# Altium PCB graviton.PcbDoc (part 11 of 15)
Units mm, origin at the board's own origin, x right, y up, seen from the top; angles counter-clockwise.
Board outline 200 x 200 mm, 10 copper layers (TOP, POLYGON1, S1, POLYGON2, POLYGON3, POLYGON4, POLYGON5, S2, POLYGON6, BOT), stack 1.751 mm thick; 1317 components, 712 nets, 5121 pads, 3994 vias.
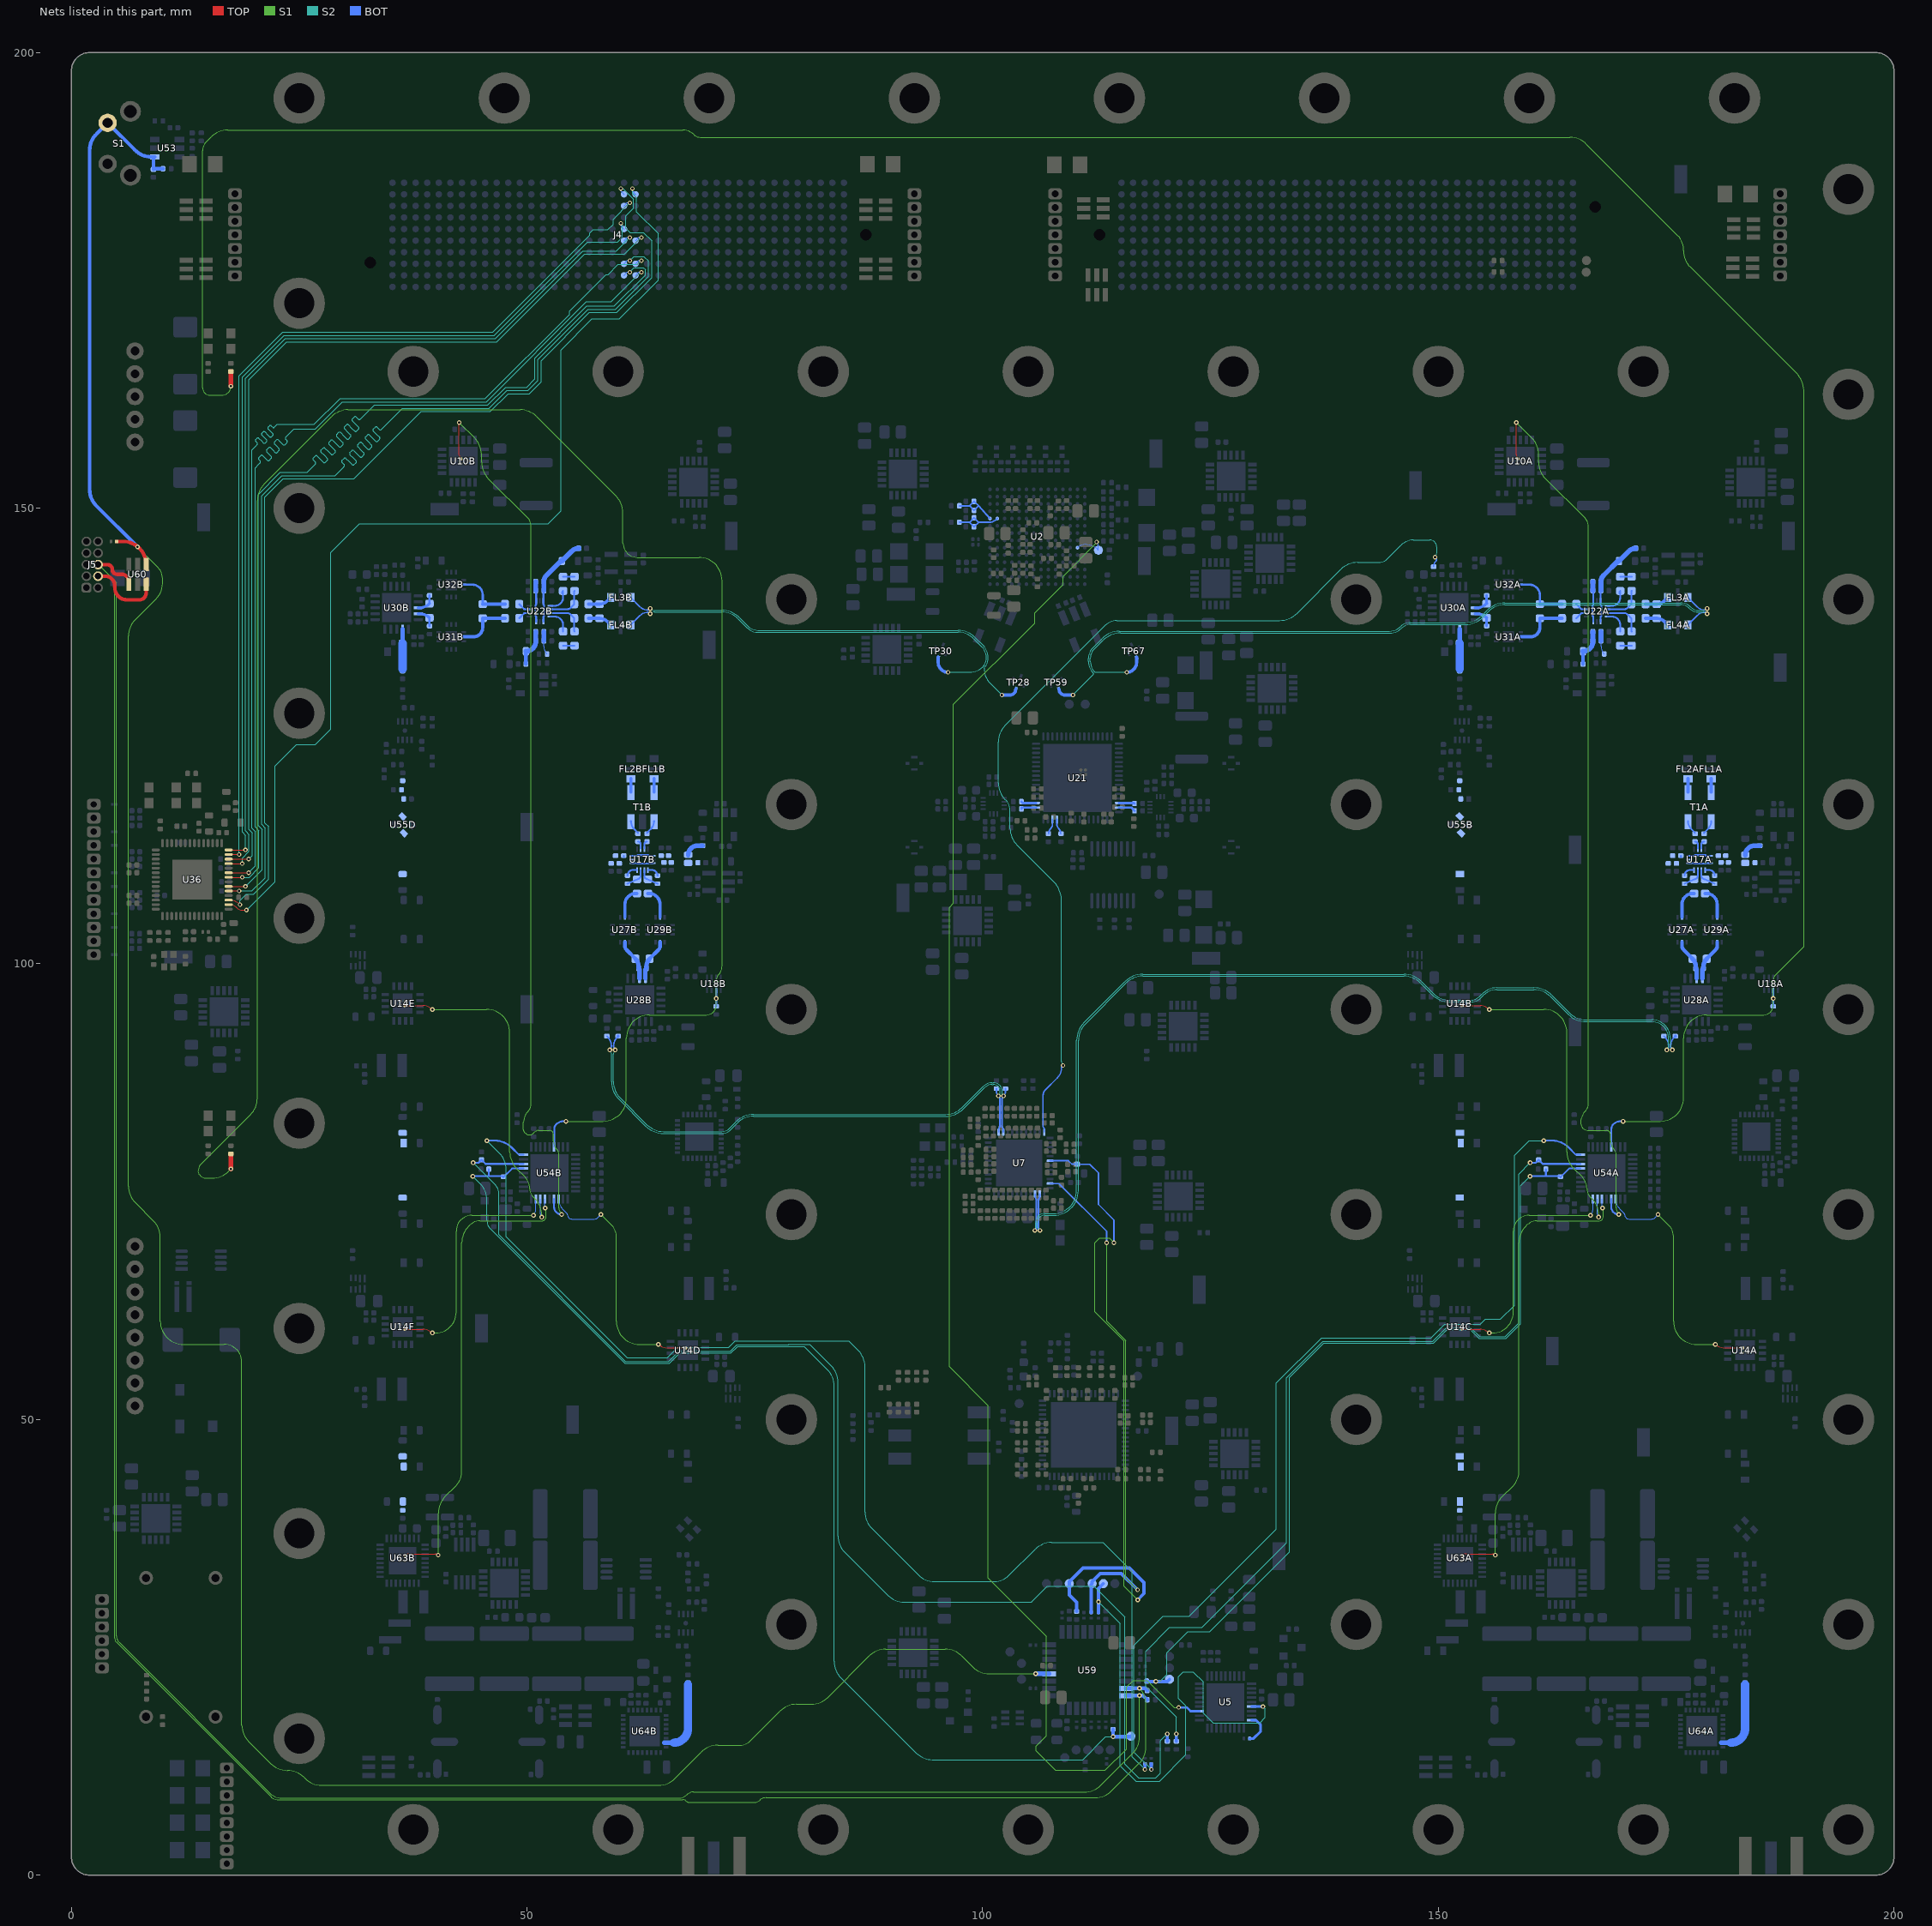
[diagram p19: the nets of this part, all layers, seen from the top]

## Via types
v1: diameter 0.75, hole 0.5, TOP to BOT, tented both sides, 2608 vias
v2: diameter 0.508, hole 0.254, TOP to BOT, tented both sides, 628 vias
v3: diameter 0.483, hole 0.254, TOP to BOT, tented both sides, 455 vias
v4: diameter 0.5, hole 0.3, TOP to BOT, tented both sides, 169 vias
v5: diameter 0.635, hole 0.254, TOP to BOT, tented both sides, 86 vias
v6: diameter 0.5, hole 0.254, TOP to BOT, tented both sides, 48 vias

## Nets (pads, with @x,y where several pads share a name; then routed paths per layer and width w, separated by ;. In a path a pad name is that pad's centre, name@x,y a point inside that pad or via, vN(x,y) a via of type N, cw(c..) or ccw(c..) an arc to the next point about the centre after c; other vN are vias at no path point) (continued)
RGMII.RXD0_2: J4.219 U36.44 | length 117.1
  TOP w0.102: U36.44@17.25,106.5 cw(c17.25,105.172) 18.189,106.111 ccw(c18.699,106.621) 18.699,105.9 v3(19.2,105.9)
  S2 w0.098: v3(19.2,105.9) 19.22,105.9 22.337,109.017 22.337,121.714 24.696,124.073 26.746,124.073 28.452,125.779 28.452,145.129 31.621,148.298 52.321,148.298 53.727,149.704 53.727,167.36 57.135,170.768 60.138,170.768 64.385,175.015 64.385,180.14 62.027,182.498 62.027,184.071 61.562,184.536 v3(61.562,185.08)
  BOT w0.102: v3(61.562,185.08) 61.562,184.788 J4.219@61.905,184.445
RGMII.RXD1_2: J4.209 U36.45 | length 115.5
  TOP w0.102: U36.45@17.25,107 17.293,107 cw(c17.293,105.293) v3(18.5,106.5)
  S2 w0.098: v3(18.5,106.5) 18.5,106.95 19.198,107.648 19.971,107.648 21.632,109.309 21.632,115.057 21.219,115.469 21.219,151.219 23.225,153.225 31,153.225 38.391,160.616 45.986,160.616 47.94,162.57 50.242,162.57 51.555,163.883 51.555,166.185 56.843,171.473 59.846,171.473 63.681,175.307 63.681,179.344 62.775,180.25 61.3,180.25 60.825,180.725 60.825,182.075 61.675,182.925 61.675,183.925 60.52,185.08 v3(60.292,185.08)
  BOT w0.102: v3(60.292,185.08) 60.292,184.788 J4.209@60.635,184.445
RGMII.RXD2_2: J4.203 U36.47 | length 115.6
  TOP w0.102: U36.47@17.25,108 v3(18.4,108)
  S2 w0.098: v3(18.4,108) 19.825,108 21.28,109.455 21.28,114.911 20.867,115.323 20.867,151.365 23.079,153.577 28.927,153.577 29.825,154.475 29.932,154.582 ccw(c29.825,154.689) 29.932,154.797 29.698,155.031 cw(c29.805,155.138) 29.698,155.246 29.912,155.46 cw(c30.019,155.353) 30.126,155.46 30.468,155.118 30.81,154.776 ccw(c30.917,154.884) 31.024,154.776 31.239,154.991 ccw(c31.132,155.098) 31.239,155.205 30.897,155.547 30.555,155.889 cw(c30.662,155.996) 30.555,156.103 30.77,156.318 cw(c30.877,156.21) 30.984,156.318 31.326,155.976 31.668,155.634 ccw(c31.775,155.741) 31.882,155.634 32.096,155.848 ccw(c31.989,155.956) 32.096,156.063 31.755,156.405 31.413,156.746 cw(c31.52,156.854) 31.413,156.961 31.627,157.175 cw(c31.734,157.068) 31.842,157.175 32.183,156.833 32.525,156.492 ccw(c32.632,156.599) 32.74,156.492 32.954,156.706 ccw(c32.847,156.813) 32.954,156.92 32.612,157.262 32.27,157.604 cw(c32.378,157.711) 32.27,157.818 32.485,158.033 cw(c32.592,157.926) 32.699,158.033 33.041,157.691 33.383,157.349 ccw(c33.49,157.456) 33.597,157.349 33.812,157.564 ccw(c33.704,157.671) 33.812,157.778 33.47,158.12 33.128,158.462 cw(c33.235,158.569) 33.128,158.676 33.342,158.89 cw(c33.45,158.783) 33.557,158.89 33.847,158.6 ccw(c33.899,158.651) 33.95,158.6 36.319,160.969 45.84,160.969 47.794,162.923 50.096,162.923 51.202,164.029 51.202,166.331 56.697,171.825 59.7,171.825 63.328,175.453 63.328,177.122 62.825,177.625 61.727,177.625 v3(61.27,177.168)
  BOT w0.102: J4.203@60.635,176.825 60.978,177.168 v3(61.27,177.168)
RGMII.RXD3_2: J4.202 U36.48 | length 115.3
  TOP w0.102: U36.48@17.25,108.5 v3(19.1,108.5)
  S2 w0.098: v3(19.1,108.5) 20.927,110.327 20.927,114.765 20.515,115.177 20.515,151.511 22.933,153.93 25.855,153.93 26.663,154.737 26.77,154.845 ccw(c26.663,154.952) 26.77,155.059 26.535,155.294 cw(c26.642,155.401) 26.535,155.508 26.749,155.723 cw(c26.857,155.615) 26.964,155.723 27.306,155.381 27.648,155.039 ccw(c27.755,155.146) 27.862,155.039 28.076,155.253 ccw(c27.969,155.361) 28.076,155.468 27.735,155.81 27.393,156.151 cw(c27.5,156.259) 27.393,156.366 27.607,156.58 cw(c27.714,156.473) 27.822,156.58 28.163,156.238 28.505,155.897 ccw(c28.612,156.004) 28.72,155.897 28.934,156.111 ccw(c28.827,156.218) 28.934,156.325 28.592,156.667 28.25,157.009 cw(c28.358,157.116) 28.25,157.223 28.465,157.438 cw(c28.572,157.331) 28.679,157.438 29.021,157.096 29.363,156.754 ccw(c29.47,156.861) 29.577,156.754 29.792,156.969 ccw(c29.684,157.076) 29.792,157.183 29.45,157.525 29.108,157.867 cw(c29.215,157.974) 29.108,158.081 29.322,158.295 cw(c29.43,158.188) 29.537,158.295 29.879,157.954 30.22,157.612 ccw(c30.328,157.719) 30.435,157.612 30.649,157.826 ccw(c30.542,157.933) 30.649,158.041 30.307,158.382 29.966,158.724 cw(c30.073,158.831) 29.966,158.939 30.18,159.153 cw(c30.287,159.046) 30.394,159.153 30.736,158.811 31.078,158.469 ccw(c31.185,158.577) 31.292,158.469 31.507,158.684 ccw(c31.4,158.791) 31.507,158.898 31.165,159.24 30.823,159.582 cw(c30.93,159.689) 30.823,159.796 31.038,160.011 cw(c31.145,159.903) 31.252,160.011 31.487,159.776 ccw(c31.594,159.883) 31.701,159.776 31.925,160 33.246,161.321 45.694,161.321 47.648,163.275 49.95,163.275 50.85,164.175 50.85,166.477 56.551,172.177 59.554,172.177 62.976,175.599 62.976,176.174 62.775,176.375 61.747,176.375 v3(61.27,175.898)
  BOT w0.102: J4.202@60.635,175.555 60.978,175.898 v3(61.27,175.898)
RGMII.TXCLK_2: J4.205 U36.53 | length 104.2
  TOP w0.102: U36.53@17.6,111 v3(18.75,111)
  S2 w0.098: v3(18.75,111) 18.75,111.598 19.491,112.338 19.491,114.208 19.105,114.594 19.105,164.233 23.492,168.62 46.542,168.62 56.149,178.227 59.79,178.227 v3(61.27,179.708)
  BOT w0.102: J4.205@60.635,179.365 60.978,179.708 v3(61.27,179.708)
RGMII.TXCTRL_2: J4.206 U36.56 | length 104.3
  TOP w0.102: U36.56@17.25,112.5 v3(19.1,112.5)
  S2 w0.098: v3(19.1,112.5) 19.1,114.1 18.752,114.448 18.752,164.379 23.346,168.973 46.396,168.973 56.648,179.225 59.925,179.225 60.45,179.75 60.45,181.112 v3(60.292,181.27)
  BOT w0.102: v3(60.292,181.27) 60.292,180.978 J4.206@60.635,180.635
RGMII.TXD0_2: J4.212 U36.50 | length 104.7
  TOP w0.102: U36.50@17.6,109.5 v3(18.75,109.5)
  S2 w0.098: v3(18.75,109.5) 19.502,109.5 20.575,110.573 20.575,114.619 20.162,115.031 20.162,154.425 20.606,154.869 20.713,154.976 ccw(c20.606,155.083) 20.713,155.191 20.568,155.335 cw(c20.676,155.443) 20.568,155.55 20.783,155.764 cw(c20.89,155.657) 20.997,155.764 21.249,155.512 21.501,155.26 ccw(c21.608,155.367) 21.716,155.26 21.93,155.475 ccw(c21.823,155.582) 21.93,155.689 21.678,155.941 21.426,156.193 cw(c21.533,156.3) 21.426,156.407 21.64,156.622 cw(c21.748,156.515) 21.855,156.622 22.107,156.37 22.359,156.118 ccw(c22.466,156.225) 22.573,156.118 22.788,156.332 ccw(c22.681,156.439) 22.788,156.547 22.536,156.799 22.284,157.051 cw(c22.391,157.158) 22.284,157.265 22.498,157.479 cw(c22.605,157.372) 22.712,157.479 22.965,157.227 23.217,156.975 ccw(c23.324,157.083) 23.431,156.975 23.645,157.19 ccw(c23.538,157.297) 23.645,157.404 23.501,157.549 cw(c23.608,157.656) 23.501,157.763 23.531,157.794 24.437,158.7 26.75,158.7 29.723,161.673 45.548,161.673 56.525,172.65 59.225,172.65 62.473,175.898 v3(62.54,175.898)
  BOT w0.102: J4.212@61.905,175.555 62.248,175.898 v3(62.54,175.898)
RGMII.TXD1_2: J4.213 U36.51 | length 105.4
  TOP w0.102: U36.51@17.6,110 v3(19.45,110)
  S2 w0.098: v3(19.45,110) 20.2,110.75 20.2,114.495 19.81,114.886 19.81,156.41 20.313,156.913 20.38,156.98 ccw(c20.279,157.082) 20.38,157.184 20.224,157.34 cw(c20.326,157.441) 20.224,157.543 20.36,157.679 cw(c20.462,157.577) 20.563,157.679 20.821,157.421 21.079,157.163 ccw(c21.18,157.265) 21.282,157.163 21.418,157.299 ccw(c21.316,157.401) 21.418,157.503 21.16,157.76 20.903,158.018 cw(c21.004,158.119) 20.903,158.221 21.038,158.357 cw(c21.14,158.255) 21.242,158.357 21.499,158.099 21.757,157.842 ccw(c21.858,157.943) 21.96,157.842 22.096,157.977 ccw(c21.994,158.079) 22.096,158.181 21.838,158.438 21.581,158.696 cw(c21.682,158.797) 21.581,158.899 21.716,159.035 cw(c21.818,158.933) 21.92,159.035 22.092,158.863 ccw(c22.177,158.948) 22.263,158.863 22.6,159.2 26.65,159.2 29.476,162.026 45.402,162.026 54.651,171.274 54.651,171.651 58.65,175.65 58.9,175.65 60,176.75 62.122,176.75 v3(62.54,177.168)
  BOT w0.102: J4.213@61.905,176.825 62.248,177.168 v3(62.54,177.168)
RGMII.TXD2_2: J4.215 U36.54 | length 105.1
  TOP w0.102: U36.54@17.6,111.5 v3(19.45,111.5)
  S2 w0.098: v3(19.45,111.5) 19.843,111.893 19.843,114.354 19.457,114.74 19.457,164.087 23.638,168.268 46.688,168.268 56.295,177.875 60.707,177.875 v3(62.54,179.708)
  BOT w0.102: J4.215@61.905,179.365 62.248,179.708 v3(62.54,179.708)
RGMII.TXD3_2: J4.208 U36.55 | length 105.7
  TOP w0.102: U36.55@17.25,112 v3(18.4,112)
  S2 w0.098: v3(18.4,112) 18.4,164.525 23.2,169.325 46.25,169.325 56.875,179.95 56.875,180.175 57.25,180.55 58.875,180.55 59.475,181.15 59.475,181.723 v3(61.27,183.518)
  BOT w0.102: J4.208@60.635,183.175 60.978,183.518 v3(61.27,183.518)
RI1A_N: R31A.2 R32A.1 U17A.5 | length 2.4
  BOT w0.2: U17A.5@178.865,110.297 178.865,109.68 ccw(c179.265,109.68) R31A.2@179.265,109.28 R32A.1@180.316,108.797
RI1A_P: R35A.2 R36A.1 U17A.6 | length 2.4
  BOT w0.2: R36A.1@177.014,108.797 R35A.2@178.065,109.28 ccw(c178.065,109.68) 178.465,109.68 U17A.6@178.465,110.297
RI1B_N: R31B.2 R32B.1 U17B.5 | length 2.4
  BOT w0.2: U17B.5@62.865,110.297 62.865,109.68 ccw(c63.265,109.68) R31B.2@63.265,109.28 R32B.1@64.316,108.797
RI1B_P: R35B.2 R36B.1 U17B.6 | length 2.4
  BOT w0.2: R36B.1@61.014,108.797 R35B.2@62.065,109.28 ccw(c62.065,109.68) 62.465,109.68 U17B.6@62.465,110.297
RI2A_N: R32A.2 U17A.4 | length 1.4
  BOT w0.2: U17A.4@179.265,110.297 179.706,110.297 cw(c179.706,109.687) R32A.2@180.316,109.687
RI2A_P: R36A.2 U17A.7 | length 1.4
  BOT w0.2: R36A.2@177.014,109.687 cw(c177.624,109.687) 177.624,110.297 U17A.7@178.065,110.297
RI2B_N: R32B.2 U17B.4 | length 1.4
  BOT w0.2: U17B.4@63.265,110.297 63.706,110.297 cw(c63.706,109.687) R32B.2@64.316,109.687
RI2B_P: R36B.2 U17B.7 | length 1.4
  BOT w0.2: R36B.2@61.014,109.687 cw(c61.624,109.687) 61.624,110.297 U17B.7@62.065,110.297
RI3A_N: C108A.1 U17A.12 | length 0.9
  BOT w0.2: C108A.1@178.165,113.417 cw(c178.165,113.117) 178.465,113.117 U17A.12@178.465,112.647
RI3A_P: C107A.1 U17A.13 | length 0.9
  BOT w0.2: U17A.13@178.865,112.647 178.865,113.117 cw(c179.165,113.117) C107A.1@179.165,113.417
RI3B_N: C108B.1 U17B.12 | length 0.9
  BOT w0.2: C108B.1@62.165,113.417 cw(c62.165,113.117) 62.465,113.117 U17B.12@62.465,112.647
RI3B_P: C107B.1 U17B.13 | length 0.9
  BOT w0.2: U17B.13@62.865,112.647 62.865,113.117 cw(c63.165,113.117) C107B.1@63.165,113.417
RI4A_N: C108A.2 T1A.1 | length 1.5
  BOT w0.2: T1A.1@177.395,115.657 ccw(c178.626,115.657) 177.756,114.787 C108A.2@178.165,114.377
RI4A_P: C107A.2 T1A.3 | length 1.5
  BOT w0.2: C107A.2@179.165,114.377 179.574,114.787 ccw(c178.704,115.657) T1A.3@179.935,115.657
RI4B_N: C108B.2 T1B.1 | length 1.5
  BOT w0.2: T1B.1@61.395,115.657 ccw(c62.626,115.657) 61.756,114.787 C108B.2@62.165,114.377
RI4B_P: C107B.2 T1B.3 | length 1.5
  BOT w0.2: C107B.2@63.165,114.377 63.574,114.787 ccw(c62.704,115.657) T1B.3@63.935,115.657
RI5A_N: FL2A.1 T1A.6 | length 1.5
  BOT w0.356: T1A.6@177.395,118.837 FL2A.1@177.395,120.297 FL2A.1@177.395,120.347
RI5A_P: FL1A.1 T1A.4 | length 1.5
  BOT w0.356: T1A.4@179.935,118.837 FL1A.1@179.935,120.297 FL1A.1@179.935,120.347
RI5B_N: FL2B.1 T1B.6 | length 1.5
  BOT w0.356: T1B.6@61.395,118.837 FL2B.1@61.395,120.297 FL2B.1@61.395,120.347
RI5B_P: FL1B.1 T1B.4 | length 1.5
  BOT w0.356: T1B.4@63.935,118.837 FL1B.1@63.935,120.297 FL1B.1@63.935,120.347
RI_VCCA: C101A.2 C103A.2 C104A.2 C105A.2 C106A.2 L1A.1 U17A.1 U17A.9 U17A.10 | length 4.7
  BOT w0.2: C103A.2@176.625,111.7 C103A.2@176.625,111.85 ; U17A.10@177.515,111.847 178.072,111.847 178.15,111.925 179.3,111.925 179.378,111.847 U17A.1@179.815,111.847
  BOT w0.51: C106A.2@183.675,111.925 cw(c184.72,111.925) 184.72,112.97 L1A.1@185.275,112.97
RI_VCCB: C101B.2 C103B.2 C104B.2 C105B.2 C106B.2 L1B.1 U17B.1 U17B.9 U17B.10 | length 4.7
  BOT w0.2: C103B.2@60.625,111.7 C103B.2@60.625,111.85 ; U17B.10@61.515,111.847 62.072,111.847 62.15,111.925 63.3,111.925 63.378,111.847 U17B.1@63.815,111.847
  BOT w0.51: C106B.2@67.675,111.925 cw(c68.72,111.925) 68.72,112.97 L1B.1@69.275,112.97
RI_VSSA: C110A.2 C111A.2 C112A.2 C113A.2 C116A.2 L2A.1 U17A.3 U17A.8 | length 2.3
  BOT w0.2: U17A.8@177.515,111.047 178.072,111.047 178.126,110.993 179.324,110.993 179.378,111.047 U17A.3@179.815,111.047
RI_VSSB: C110B.2 C111B.2 C112B.2 C113B.2 C116B.2 L2B.1 U17B.3 U17B.8 | length 2.3
  BOT w0.2: U17B.8@61.515,111.047 62.072,111.047 62.126,110.993 63.324,110.993 63.378,111.047 U17B.3@63.815,111.047
RM_FA_N: C367A.1 R40A.1 U27A.2 U28A.18 | length 4.4
  BOT w0.4: U27A.2@176.735,102.39 176.735,101.97 ccw(c177.362,101.97) 176.919,101.527 R40A.1@177.885,100.56
  BOT w0.49: R40A.1@177.885,100.56 cw(c177.04,99.715) 178.235,99.715 C367A.1@178.235,99.5 ; U28A.18@178.34,98.4 C367A.1@178.34,99.395
RM_FA_P: C367A.2 R40A.2 U28A.19 U29A.2 | length 4.4
  BOT w0.4: R40A.2@179.445,100.56 180.411,101.527 ccw(c179.968,101.97) 180.595,101.97 U29A.2@180.595,102.39
  BOT w0.49: U28A.19@178.98,98.425 C367A.2@178.98,99.385 ; C367A.2@179.095,99.5 179.095,99.715 cw(c180.29,99.715) R40A.2@179.445,100.56
RM_FB_N: C367B.1 R40B.1 U27B.2 U28B.18 | length 4.4
  BOT w0.4: U27B.2@60.735,102.39 60.735,101.97 ccw(c61.362,101.97) 60.919,101.527 R40B.1@61.885,100.56
  BOT w0.49: R40B.1@61.885,100.56 cw(c61.04,99.715) 62.235,99.715 C367B.1@62.235,99.5 ; U28B.18@62.34,98.4 C367B.1@62.34,99.395
RM_FB_P: C367B.2 R40B.2 U28B.19 U29B.2 | length 4.4
  BOT w0.4: R40B.2@63.445,100.56 64.411,101.527 ccw(c63.968,101.97) 64.595,101.97 U29B.2@64.595,102.39
  BOT w0.49: U28B.19@62.98,98.425 C367B.2@62.98,99.385 ; C367B.2@63.095,99.5 63.095,99.715 cw(c64.29,99.715) R40B.2@63.445,100.56
RSTN_2: C468.2 R173.1 S1.2 SL3.2 U53.1 U59.4 U60.4 | length 301.1
  TOP w0.4: SL3.2@4.983,146.35 5.675,146.35 cw(c5.675,143.825) U60.4@8.2,143.825
  S1 w0.095: v3(7.25,145.75) 9.5,143.5 cw(c8.293,142.293) 10,142.293 10,141.75 cw(c7.586,141.75) 9.293,140.043 6.994,137.744 ccw(c8.79,135.948) 6.25,135.948 6.25,75.621 ccw(c8.79,75.621) 6.994,73.825 9.006,71.813 cw(c7.21,70.017) 9.75,70.017 9.75,60.79 ccw(c12.29,60.79) 12.29,58.25 16.75,58.25 cw(c16.75,56.302) 17.821,57.929 cw(c16.75,56.302) 18.698,56.302 18.698,16.457 ccw(c21.238,16.457) 19.442,14.661 21.858,12.244 ccw(c23.654,14.04) 23.654,11.5 23.698,11.5 cw(c23.698,8.96) 25.494,10.756 25.633,10.617 ccw(c27.429,12.413) 27.429,9.873 64.448,9.873 ccw(c64.448,12.413) 66.244,10.617 69.134,13.506 cw(c70.93,11.71) 70.93,14.25 73.293,14.25 ccw(c73.293,15.957) 74.5,14.75 77.756,18.006 cw(c79.552,16.21) 79.552,18.75 81.198,18.75 ccw(c81.198,21.29) 82.994,19.494 87.563,24.063 cw(c89.359,22.267) 89.359,24.807 95.891,24.807 cw(c95.891,22.267) 97.687,24.063 98.906,22.844 ccw(c100.702,24.64) 100.702,22.1 v2(105.8,22.1)
  BOT w0.4: v3(7.25,145.75) 2.744,150.256 cw(c4.54,152.052) 2,152.052 2,189.265 cw(c4.54,189.265) 2.744,191.061 S1.2@3.973,192.29 6.969,189.294 ccw(c8.765,191.09) 8.765,188.55 U53.1@9.15,188.55 ccw(c9.15,188.4) 9,188.4 C468.2@9,187.18 cw(c9.07,187.18) 9.07,187.25 R173.1@10.055,187.25
  BOT w0.5: v2@105.815,22.1 U59.4@107.3,22.1
RX-A.S_2_N: R29A.2 U21.15 | length 1.8
  BOT w0.25: U21.15@114.95,117.15 116.305,117.15 R29A.2@116.655,116.8
RX-A.S_2_P: R25A.2 U21.14 | length 1.7
  BOT w0.25: U21.14@114.95,117.65 116.605,117.65 R25A.2@116.655,117.6
RX-B.S_2_N: R29B.2 U21.35 | length 1.7
  BOT w0.25: R29B.2@104.245,117.8 104.395,117.65 U21.35@105.85,117.65
RX-B.S_2_P: R25B.2 U21.34 | length 1.8
  BOT w0.25: R25B.2@104.245,117 104.245,117.15 U21.34@105.85,117.15
RX-INA: L28A.1 U64A.23 | length 8.3
  BOT w0.49: U64A.23@181.03,14.538 182.107,14.538
  BOT w0.914: 182.107,14.538 ccw(c182.107,16.091) 183.66,16.091 L28A.1@183.66,20.91
RX-INB: L28C.1 U64B.23 | length 8.3
  BOT w0.49: U64B.23@65.03,14.538 66.107,14.538
  BOT w0.914: 66.107,14.538 ccw(c66.107,16.091) 67.66,16.091 L28C.1@67.66,20.91
RX-LO-A.C_2_N: C364A.2 U7.15 | length 103.5
  S2 w0.089: v3(105.714,70.75) 105.797,70.833 105.797,71.6 cw(c106.8,71.6) 106.8,72.603 107.76,72.603 ccw(c107.76,75.143) 110.3,75.143 110.3,91.611 cw(c113.02,91.611) 111.096,93.533 ; 111.097,93.534 115.612,98.05 cw(c117.552,96.11) 117.552,98.853 146.211,98.853 cw(c146.211,96.11) 148.15,98.05 149.431,96.769 ccw(c151.227,98.565) 151.227,96.025 153.616,96.025 ccw(c153.616,97.284) 154.506,96.394 154.83,96.718 cw(c156.425,95.123) 156.425,97.378 160.486,97.378 cw(c160.486,94.635) 162.425,96.575 164.403,94.597 ccw(c166.199,96.393) 166.199,93.853 173.423,93.853 cw(c173.423,91.8) 175.477,91.8 175.477,90.734 ccw(c175.661,90.734) v2@175.661,90.55
  BOT w0.159: v3(105.714,70.75) ccw(c105.714,70.9) 105.82,70.794 105.876,70.85 105.876,74.175 cw(c106.181,74.48) 105.75,74.48 U7.15@105.75,74.761 ; v2@175.661,90.55 cw(c176.052,90.941) 175.499,90.941 175.499,91 cw(c176.848,91) 175.894,91.954 C364A.2@176,92.06
  BOT w0.32: C364A.2@176,92.016 C364A.2@176,92.06
  other v2: 175.673,90.55
RX-LO-A.C_2_P: C208A.2 U7.14 | length 102.9
  S2 w0.089: v3(106.286,70.75) 106,71.036 106,71.6 cw(c106.8,71.6) 106.8,72.4 107.76,72.4 ccw(c107.76,75.143) 110.503,75.143 110.503,91.601 cw(c113.043,91.601) 111.247,93.397 115.756,97.906 cw(c117.552,96.11) 117.552,98.65 146.211,98.65 cw(c146.211,96.11) 148.007,97.906 149.287,96.625 ccw(c151.227,98.565) 151.227,95.822 153.616,95.822 ccw(c153.616,97.284) 154.65,96.25 154.974,96.574 cw(c156.425,95.123) 156.425,97.175 160.486,97.175 cw(c160.486,94.635) 162.282,96.431 164.259,94.453 ccw(c166.199,96.393) 166.199,93.65 173.423,93.65 cw(c173.423,91.8) 175.273,91.8 175.273,90.734 cw(c175.089,90.734) v2@175.089,90.55
  BOT w0.159: U7.14@106.25,74.761 106.25,74.48 cw(c105.819,74.48) 106.124,74.175 106.124,70.85 106.18,70.794 ccw(c106.286,70.9) v3(106.286,70.75) ; C208A.2@174.75,92.07 174.849,91.971 cw(c173.878,91) 175.251,91 175.251,90.941 cw(c174.698,90.941) v2@175.089,90.55
  other v2: 175.077,90.55
RX-LO-B.C_2_N: C364B.2 R42.1 U7.39 | length 58.6
  S2 w0.089: v2(59.673,90.55) ccw(c60.149,90.075) 59.477,90.075 59.477,87.076 ccw(c62.017,87.076) 60.221,85.279 63.156,82.344 ccw(c64.952,84.14) 64.952,81.6 71.355,81.6 ccw(c71.355,82.795) 72.2,81.95 72.925,82.675 cw(c74.864,80.735) 74.864,83.478 95.926,83.478 ccw(c95.926,86.018) 97.722,84.222 100.067,86.567 cw(c101,85.633) 101,86.953 101.146,86.953 cw(c101.146,85.896) 101.894,86.644 cw(c101.328,86.078) 102.128,86.078 102.128,85.46 v3@102.203,85.385
  BOT w0.159: v2@59.661,90.55 cw(c60.052,90.941) 59.499,90.941 59.499,91 cw(c60.848,91) 59.894,91.954 C364B.2@60,92.06 ; U7.39@102.25,81.531 102.25,81.812 ccw(c101.819,81.812) 102.124,82.117 102.124,85.25 cw(c102.336,85.25) 102.186,85.4 v3(102.286,85.5) ccw(c101.769,86.017) 102.5,86.017 R42.1@102.5,86.305
  BOT w0.32: C364B.2@60,92.016 C364B.2@60,92.06
RX-LO-B.C_2_P: C208B.2 R43.1 U7.38 | length 58.5
  S2 w0.089: v2(59.077,90.55) cw(c58.601,90.075) 59.273,90.075 59.273,87.076 ccw(c62.017,87.076) 60.077,85.136 63.012,82.2 ccw(c64.952,84.14) 64.952,81.397 71.355,81.397 ccw(c71.355,82.795) 72.344,81.806 73.068,82.531 cw(c74.864,80.735) 74.864,83.275 95.926,83.275 ccw(c95.926,86.018) 97.866,84.078 100.21,86.423 cw(c101,85.633) 101,86.75 101.146,86.75 cw(c101.146,85.896) 101.75,86.5 cw(c101.328,86.078) 101.925,86.078 101.925,85.669 101.911,85.655 101.911,85.511 v3@101.825,85.425
  BOT w0.159: C208B.2@58.75,92.07 58.849,91.971 cw(c57.878,91) 59.251,91 59.251,90.941 cw(c58.698,90.941) v2@59.089,90.55 ; R43.1@101.5,86.305 101.5,86.017 ccw(c102.231,86.017) v3(101.714,85.5) 101.814,85.4 cw(c101.664,85.25) 101.876,85.25 101.876,82.117 ccw(c102.181,81.812) 101.75,81.812 U7.38@101.75,81.531